# KiCad board A64-OlinuXino_Rev_E.kicad_pcb (continued)
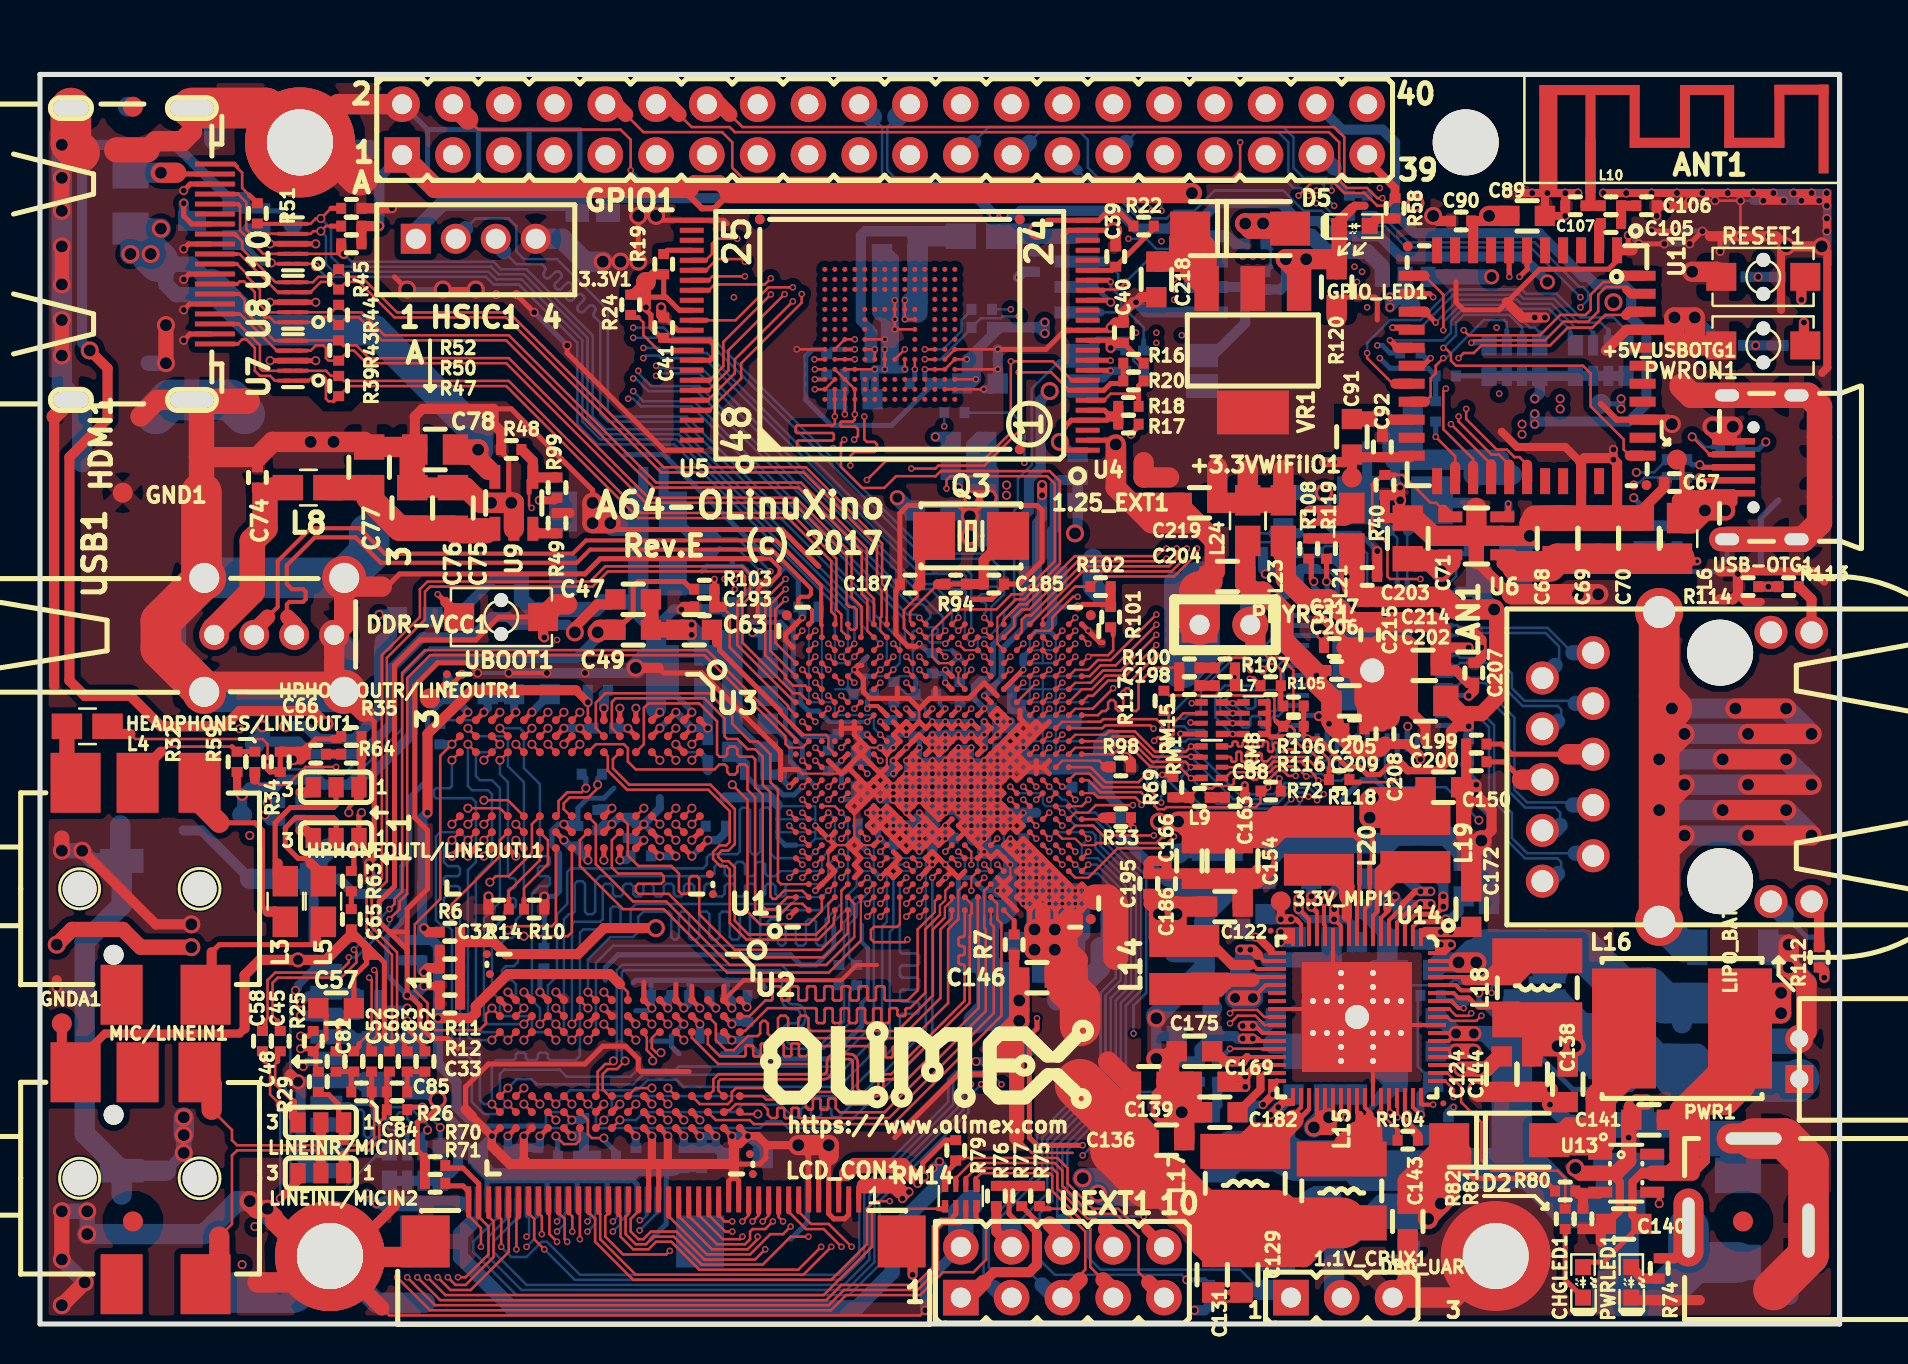
[diagram p0: board, top side]
## Routing (per net, layer and track width the routed paths; a pad name or vN(x,y) marks a point on that pad's centre or on a via; arc(x,y) is an arc through that point) (continued)
  Bottom w0.254: 14.31,16.57 13.67,16.57
  Bottom w0.406: v3(13.03,16.05) 13.41,16.43 13.54,16.43 13.67,16.57
  Bottom w0.508: R30.1 15.82,16.57 14.31,16.57
/NAND Flash , eMMC, T-Card and Audio/SDC0-DET#: length 58.9
  Top w0.107: 51.78,25.58 52.43,25.58
  Top w0.127: 52.43,25.58 52.8,25.95 v4(54.65,25.95) ; U1.AB8 51.78,25.58
  In3.Cu w0.127: 54.18,24.94 54.18,24.94 ; 54.18,24.94 54.18,18.59 49.22,13.64 46.69,13.64 45.92,12.88 45.67,12.88 44.02,11.23 43.26,11.23 39.57,7.54 34.11,7.54 33.1,6.53 21.54,6.53 v3(18.36,9.7) ; 54.18,24.94 54.18,25.48 v4(54.65,25.95)
  Bottom w0.127: v3(18.36,9.7) 18.24,9.7 17.98,9.45 16.97,9.45 16.71,9.19 16.71,8.94 16.46,8.69 15.32,8.69
  Bottom w0.254: 15.32,8.69 14.49,8.69 14.31,8.87 ; RM7.3.2 v3(18.36,9.7)
/Power Supply, Extensions and MiPi-DSI/DC5SET: length 3.1
  Top w0.203: v4(71.2,15.8) 70.94,15.8 70.59,16.15 U14.62
  Bottom w0.254: v4(71.2,15.8) R84.2 70.31,16.18 R92.1
/Power Supply, Extensions and MiPi-DSI/DSI-CKN: length 115.2
  Top w0.127: v4(45.93,34.67) U1.P23
  In2.Cu w0.127: v4(29.99,5.19) 29.89,5.19 28.02,7.06 20.24,7.06 17.07,10.24 11.76,10.24 11.4,10.59 11.4,16.05 10.52,16.94 10.52,22.78 8.46,24.84 8.46,27 6.32,29.13 6.32,38.81 6.81,39.29 16.71,39.29 19.35,41.94 23.06,41.94 24.08,42.95 32.33,42.95 32.66,43.28 32.66,44.3 32.38,44.58 29.62,44.58 29.51,44.68 29.51,45.16 29.64,45.29 32.31,45.29 32.66,45.64 32.66,46.33 32.36,46.63 31.95,46.63 31.83,46.76 31.83,47.42 31.7,47.55 31.44,47.55 31.32,47.42 31.32,46.79 31.17,46.63 30.84,46.63 30.68,46.79 30.68,47.3 v4(30.81,47.42)
  Bottom w0.107: 45.6,35.65 45.6,35
  Bottom w0.127: v4(29.99,5.19) 30.11,5.19 30.36,5.44 30.36,5.57 30.36,5.56 ; 45.6,35.65 45.6,35.68 44.53,36.75 43.76,36.75 32.97,47.55 30.94,47.55 v4(30.81,47.42) ; 45.6,35 v4(45.93,34.67)
  Bottom w0.254: MIPI-DSI1.19 30.36,5.57
/Power Supply, Extensions and MiPi-DSI/DSI-CKP: length 115.2
  Top w0.127: U1.N23 v4(45.93,35.33)
  In2.Cu w0.127: 29.51,45.57 32.21,45.57 32.38,45.75 32.38,46.23 32.26,46.36 30.73,46.36 30.4,46.69 30.4,47.52 v4(30.81,47.93) ; 29.51,45.57 29.54,45.57 ; 29.51,45.57 29.24,45.29 29.24,44.58 29.51,44.3 32.26,44.3 32.38,44.17 32.38,43.41 32.21,43.23 23.95,43.23 22.94,42.22 19.23,42.22 16.59,39.57 6.71,39.57 6.05,38.91 6.05,29.01 8.2,26.85 8.2,24.69 10.24,22.66 10.24,16.81 11.12,15.93 11.12,10.47 11.63,9.96 16.94,9.96 20.12,6.78 27.89,6.78 v4(29.99,4.68)
  Bottom w0.127: 30.86,5.59 30.86,5.56 v4(29.99,4.68) ; v4(30.81,47.93) 30.94,47.8 33.1,47.8 43.89,37.01 44.65,37.01 45.93,35.74 v4(45.93,35.33)
  Bottom w0.254: MIPI-DSI1.20 30.86,5.59
/Power Supply, Extensions and MiPi-DSI/DSI-D0N: length 113.3
  Top w0.127: U1.T23 v4(47.22,35.33)
  In2.Cu w0.127: v4(29.67,49.33) 29.57,49.43 28.12,49.43 25.2,46.51 18.87,46.51 15.21,42.85 4.78,42.85 2.77,40.84 2.77,26.85 4.93,24.69 4.93,16.92 8.36,13.49 8.36,9.17 10.34,7.19 14.91,7.19 17.58,4.52 24.18,4.52 v4(24.33,4.37)
  Bottom w0.127: 24.36,5.41 24.46,5.31 24.46,4.5 v4(24.33,4.37) ; v4(29.67,49.33) 31.32,49.33 31.57,49.07 33.48,49.07 44.27,38.28 47.19,38.28 47.32,38.15 47.32,37.77 47.45,37.64 47.83,37.64 47.96,37.52 47.96,37.39 47.83,37.26 47.07,37.26 46.94,37.13 46.94,37.01 47.07,36.88 47.83,36.88 47.96,36.75 47.96,36.63 47.83,36.5 47.07,36.5 46.94,36.37 46.94,36.25 47.07,36.12 47.19,36.12 47.32,35.99 47.32,35.65 47.22,35.56 v4(47.22,35.33)
  Bottom w0.254: 24.36,5.41 MIPI-DSI1.7
/Power Supply, Extensions and MiPi-DSI/DSI-D0P: length 113.5
  Top w0.127: U1.T22 v4(47.22,34.67)
  In2.Cu w0.127: v4(24.33,3.86) 23.95,4.24 17.47,4.24 14.81,6.91 10.21,6.91 8.08,9.04 8.08,13.36 4.65,16.79 4.65,24.56 2.49,26.72 2.49,40.95 4.67,43.13 15.09,43.13 18.75,46.79 25.09,46.79 28.02,49.71 29.54,49.71 v4(29.67,49.84)
  Bottom w0.127: 24.86,5.41 24.71,5.26 24.71,4.24 v4(24.33,3.86) ; v4(29.67,49.84) 31.19,49.84 31.7,49.33 33.6,49.33 44.4,38.53 47.32,38.53 48.21,37.64 48.21,36.5 47.57,35.86 47.57,35.02 v4(47.22,34.67)
  Bottom w0.254: MIPI-DSI1.8 24.86,5.41
/Power Supply, Extensions and MiPi-DSI/DSI-D1N: length 108.7
  Top w0.127: v4(46.57,34.03) U1.R22
  In2.Cu w0.127: v4(25.86,5.13) 25.83,5.16 19.1,5.16 16.31,7.95 10.72,7.95 9.12,9.55 9.12,14.02 5.82,17.32 5.82,25.22 3.66,27.38 3.66,40.34 5.28,41.96 15.6,41.96 19.25,45.62 25.7,45.62 28.5,48.41 30.07,48.41 v4(30.18,48.31)
  Bottom w0.107: 46.25,34.35 46.25,35.65
  Bottom w0.127: 25.86,5.64 25.98,5.51 25.98,5.26 v4(25.86,5.13) ; 46.25,35.65 46.3,35.7 46.3,36.6 46.15,36.75 45.67,36.75 45.54,36.88 45.54,37.01 45.67,37.13 46.18,37.13 46.3,37.26 46.3,37.39 46.18,37.52 44.02,37.52 33.22,48.31 31.06,48.31 30.94,48.44 30.3,48.44 v4(30.18,48.31) ; v4(46.57,34.03) 46.25,34.35
  Bottom w0.254: MIPI-DSI1.10 25.86,5.64
/Power Supply, Extensions and MiPi-DSI/DSI-D1P: length 108.7
  Top w0.127: U1.P22 v4(46.57,34.67)
  In2.Cu w0.127: v4(30.18,48.82) 30.05,48.69 28.4,48.69 25.6,45.9 19.13,45.9 15.47,42.24 5.18,42.24 3.38,40.44 3.38,27.23 5.54,25.07 5.54,17.2 8.84,13.89 8.84,9.42 10.59,7.67 16.18,7.67 18.97,4.88 25.6,4.88 v4(25.86,4.62)
  Bottom w0.127: 26.36,5.64 26.24,5.51 26.24,5 v4(25.86,4.62) ; v4(30.18,48.82) 30.94,48.82 31.19,48.56 33.35,48.56 44.14,37.77 46.28,37.77 46.57,37.48 v4(46.57,34.67)
  Bottom w0.254: MIPI-DSI1.11 26.36,5.64
/Power Supply, Extensions and MiPi-DSI/DSI-D2N: length 104.6
  Top w0.127: U1.N22 v4(45.28,34.03)
  In2.Cu w0.127: v4(29.67,47.3) 29.57,47.4 28.91,47.4 26.24,44.73 19.63,44.73 15.98,41.07 5.79,41.07 4.55,39.83 4.55,27.99 6.71,25.83 6.71,17.83 9.86,14.68 9.86,9.96 11.1,8.71 16.56,8.71 19.48,5.79 26.62,5.79 27.28,5.13 v4(27.38,5.13)
  Bottom w0.127: 27.36,5.66 27.51,5.51 27.51,5.26 v4(27.38,5.13) ; v4(29.67,47.3) 29.79,47.3 30.43,46.66 32.84,46.66 43.51,35.99 44.15,35.99 44.53,35.61 44.53,35.36 44.27,35.1 44.27,34.98 44.4,34.85 44.78,34.85 44.91,34.72 44.91,34.59 44.78,34.47 44.53,34.47 44.4,34.34 44.4,34.21 44.53,34.09 45.21,34.09 v4(45.28,34.03)
  Bottom w0.254: MIPI-DSI1.13 27.36,5.66
/Power Supply, Extensions and MiPi-DSI/DSI-D2P: length 104.5
  Top w0.127: U1.M22 v4(45.28,34.67)
  In2.Cu w0.127: v4(29.92,47.68) 28.78,47.68 26.11,45.01 19.51,45.01 15.85,41.35 5.69,41.35 4.27,39.93 4.27,27.86 6.43,25.7 6.43,17.7 9.58,14.55 9.58,9.83 10.97,8.43 16.43,8.43 19.35,5.51 26.49,5.51 v4(27.38,4.62)
  Bottom w0.127: 27.86,5.61 27.76,5.51 27.76,5 v4(27.38,4.62) ; v4(45.28,34.67) 45.16,34.79 45.16,35.36 44.27,36.25 43.64,36.25 32.97,46.91 30.56,46.91 29.92,47.55 v4(29.92,47.68)
  Bottom w0.254: MIPI-DSI1.14 27.86,5.61
/Power Supply, Extensions and MiPi-DSI/DSI-D3N: length 100.8
  Top w0.127: v4(43.97,34.67) U1.L22
  In2.Cu w0.127: v4(28.65,5.13) 28.55,5.13 27.25,6.43 19.86,6.43 16.81,9.47 11.48,9.47 10.62,10.34 10.62,15.44 9.5,16.56 9.5,22.28 7.57,24.21 7.57,26.49 5.44,28.63 5.44,39.32 6.3,40.18 16.33,40.18 18.87,42.72 22.71,42.72 23.83,43.84 26.75,43.84 29.18,46.28 v4(29.41,46.28)
  Bottom w0.127: 28.86,5.59 28.86,5.34 v4(28.65,5.13) ; v4(29.41,46.28) 29.67,46.28 30.05,45.9 32.59,45.9 43.26,35.23 43.26,34.09 43.38,33.96 43.51,33.96 43.64,34.09 43.64,34.59 43.72,34.67 v4(43.97,34.67)
  Bottom w0.254: MIPI-DSI1.16 28.86,5.59
/Power Supply, Extensions and MiPi-DSI/DSI-D3P: length 100.9
  Top w0.127: v4(43.97,35.33) U1.L23
  In2.Cu w0.127: v4(29.67,46.66) 29.16,46.66 26.62,44.12 23.7,44.12 22.58,43 18.75,43 16.2,40.46 6.2,40.46 5.16,39.42 5.16,28.5 7.31,26.34 7.31,23.93 9.22,22.02 9.22,16.43 10.34,15.32 10.34,10.21 11.35,9.19 16.69,9.19 19.74,6.15 27.13,6.15 v4(28.65,4.62)
  Bottom w0.127: 29.36,5.46 29.03,5.13 29.03,5 v4(28.65,4.62) ; v4(43.97,35.33) 43.82,35.48 43.38,35.48 32.72,46.15 30.18,46.15 v4(29.67,46.66)
  Bottom w0.254: MIPI-DSI1.17 29.36,5.46
/Power Supply, Extensions and MiPi-DSI/MIPI-DSI-BKL: length 51.3
  Top w0.127: U1.W8 v4(49.82,24.92)
  In2.Cu w0.107: 50.15,24.6 50.15,20.7
  In2.Cu w0.127: v4(49.82,24.92) 50.15,24.6 ; 50.15,20.7 50.48,20.37 51.13,20.37 51.51,19.99 51.51,18.47 50.24,17.2 50.24,14.91 49.99,14.66 49.35,14.66 47.83,13.13 47.45,13.13 46.94,12.62 46.69,12.62 v4(46.05,11.99)
  Bottom w0.127: 23.86,5.29 22.68,4.11 22.68,3.61 24.33,1.96 40.21,1.96 41.48,3.23 41.48,6.4 45.92,10.85 45.92,11.86 v4(46.05,11.99)
  Bottom w0.254: 23.86,5.29 MIPI-DSI1.6
/Power Supply, Extensions and MiPi-DSI/MIPI-DSI-EN: length 50.4
  Top w0.127: U1.Y6 v4(50.47,23.62)
  In2.Cu w0.107: 50.47,22.81 50.8,22.48 50.8,20.7
  In2.Cu w0.127: 50.8,20.7 50.88,20.62 51.26,20.62 51.76,20.12 51.76,18.34 50.5,17.07 50.5,14.78 50.11,14.4 49.48,14.4 47.96,12.88 47.57,12.88 47.07,12.37 46.94,12.37 v4(46.56,11.99) ; v4(50.47,23.62) 50.47,22.81
  Bottom w0.127: v4(46.56,11.99) 46.18,11.61 46.18,10.72 41.73,6.27 41.73,3.1 40.34,1.7 24.08,1.7 22.43,3.35 22.43,4.37 23.36,5.3
  Bottom w0.254: 23.36,5.3 MIPI-DSI1.5
/Power Supply, Extensions and MiPi-DSI/MIPI-DSI-RST: length 51.5
  Top w0.127: U1.AA6 v4(51.12,23.62)
  In2.Cu w0.107: 51.45,20.81 51.45,22.17 50.8,22.82 50.8,23.3
  In2.Cu w0.127: 51.45,20.81 52.02,20.24 52.02,18.21 50.75,16.94 50.75,14.66 50.24,14.15 49.61,14.15 48.08,12.62 47.7,12.62 v4(47.07,11.99) ; v4(51.12,23.62) 50.8,23.3
  Bottom w0.127: 22.86,5.31 21.67,4.11 21.67,3.61 23.83,1.45 40.46,1.45 41.99,2.97 41.99,6.15 46.43,10.59 46.43,11.35 v4(47.07,11.99)
  Bottom w0.254: 22.86,5.31 MIPI-DSI1.4
/Power Supply, Extensions and MiPi-DSI/PB0: length 96.4
  Top w0.127: U1.V9 v4(48.53,26.22) ; v4(60.02,59.11) 60.02,57.71 59.64,57.33 35.13,57.33 34.62,57.84 34.62,59.11 34.11,59.61 30.18,59.61 29.29,60.5
  Top w0.762: 29.29,60.5 28.78,61.01 GPIO1.10
  In3.Cu w0.107: 52.75,25.9 U1.V9
  In3.Cu w0.127: v4(60.02,59.11) 60.78,59.87 64.59,59.87 65.23,59.23 65.23,57.96 66.24,56.95 66.24,54.41 68.53,52.12 69.78,52.12 72.21,49.69 72.21,47.17 72.09,47.04 72.09,45.52 70.18,43.61 67.26,43.61 65.48,41.83 65.48,40.82 64.34,39.67 64.34,38.53 63.96,38.15 63.19,38.15 62.69,37.64 62.69,35.99 61.87,35.18 61.87,30.72 57.88,26.73 57.24,26.73 56.86,27.12 56.01,27.12 55.77,27.35 54.2,27.35 52.75,25.9 ; v4(48.53,26.22) U1.V9
/Power Supply, Extensions and MiPi-DSI/PB1: length 92.1
  Top w0.107: 52.43,24.92 51.78,24.92
  Top w0.127: v4(55.7,24.44) 53.16,24.44 52.67,24.92 52.43,24.92 ; v4(67.13,56.31) 66.88,56.31 66.37,56.82 65.35,56.82 64.97,57.2 64.97,59.11 64.47,59.61 34.75,59.61 34.49,59.87 32.59,59.87 31.95,60.5 ; U1.AB7 51.78,24.92
  Top w0.762: GPIO1.12 31.44,61.01 31.95,60.5
  In3.Cu w0.127: v4(67.13,56.31) 67.13,54.64 68.89,52.88 70.18,52.88 72.47,50.6 73.23,50.6 73.61,50.22 73.61,45.16 70.79,42.34 67.89,42.34 66.75,41.2 66.75,40.2 65.61,39.06 65.61,38.28 66.12,37.77 66.12,37.11 63.64,34.64 63.64,32.83 63.4,32.59 63.4,29.96 63.78,29.58 63.78,29.07 62.81,28.1 62,28.1 57.69,23.8 56.34,23.8 v4(55.7,24.44)
/Power Supply, Extensions and MiPi-DSI/PB2: length 86.6
  Top w0.127: 34.49,60.5 35.13,59.87 64.72,59.87 65.23,59.36 65.23,57.45 v4(65.48,57.2) ; U1.W10 v4(49.18,26.88)
  Top w0.762: GPIO1.14 33.99,61.01 34.49,60.5
  In3.Cu w0.107: 52.75,26.55 U1.W10
  In3.Cu w0.127: 52.75,26.55 54,27.8 56.5,27.8 57.34,26.97 57.77,26.97 61.62,30.82 61.62,35.31 62.43,36.12 62.43,37.77 63.07,38.41 63.83,38.41 64.08,38.66 64.08,39.8 65.23,40.94 65.23,41.96 67.13,43.87 70.05,43.87 71.83,45.64 71.83,47.17 71.96,47.3 71.96,49.58 69.67,51.87 68.4,51.87 65.99,54.28 65.99,56.69 v4(65.48,57.2) ; v4(49.18,26.88) U1.W10
/Power Supply, Extensions and MiPi-DSI/PB3: length 87.1
  Top w0.107: 52.75,23.95 52.1,23.95 51.78,24.28 51.12,24.28
  Top w0.127: 52.75,23.95 52.85,24.05 55.83,24.05 v4(56.21,24.44) ; U1.AA7 51.12,24.28
  In2.Cu w0.127: v4(67,56.82) 65.1,56.82 64.85,57.07 63.07,57.07 62.43,57.71 62.43,59.11 61.93,59.61 37.29,59.61 36.53,60.38
  In2.Cu w1.016: GPIO1.16 36.53,60.38
  In3.Cu w0.127: v4(56.21,24.44) 56.37,24.27 56.37,24.21 56.54,24.05 57.29,24.05 59.88,26.64 59.88,27.08 61.44,28.64 62.61,28.64 62.95,28.98 62.95,29.79 63.14,29.99 63.14,32.66 63.41,32.93 63.41,34.76 65.86,37.21 65.86,37.64 65.35,38.15 65.35,39.17 66.5,40.31 66.5,41.33 67.77,42.6 70.69,42.6 73.36,45.26 73.36,46.56 73.36,50.09 73.1,50.34 72.34,50.34 70.05,52.63 68.78,52.63 66.75,54.66 66.75,56.57 v4(67,56.82)
/Power Supply, Extensions and MiPi-DSI/PB4: length 82.8
  Top w0.127: U1.W7 v4(49.82,24.28)
  In2.Cu w0.127: v4(66.5,57.2) 65.99,57.2 65.61,57.58 65.23,57.58 64.97,57.33 63.19,57.33 62.69,57.84 62.69,59.36 62.18,59.87 40.08,59.87 39.57,60.38
  In2.Cu w0.762: GPIO1.18 38.94,61.01 39.57,60.38
  In3.Cu w0.107: 51.45,25.25 50.8,25.25
  In3.Cu w0.127: v4(49.82,24.28) 50.8,25.25 ; v4(66.5,57.2) 66.5,54.53 68.66,52.37 69.9,52.37 72.45,49.82 72.45,47.03 72.34,46.91 72.34,45.39 70.31,43.36 67.39,43.36 65.73,41.71 65.73,40.69 64.59,39.55 64.59,38.41 64.08,37.9 63.32,37.9 62.94,37.52 62.94,35.86 62.13,35.05 62.13,30.65 57.98,26.5 56.99,26.5 56.61,26.88 55.91,26.88 55.68,27.12 54.83,27.12 52.96,25.25 51.45,25.25
/Power Supply, Extensions and MiPi-DSI/PE0: length 73.7
  Top w0.127: U1.AA18 v4(51.12,32.08)
  In2.Cu w0.127: 23.83,57.84 24.71,56.95 31.32,56.95 31.7,56.57 33.35,56.57 33.86,56.06 37.92,56.06 38.68,55.3 46.24,55.3 48.1,53.43 52.61,53.43 53.03,53.01 53.8,53.01 54.31,52.5 55.96,52.5 56.21,52.25 56.21,51.1 56.46,50.85 v4(66.37,50.85)
  In2.Cu w1.016: 23.83,57.84 GPIO1.5
  In3.Cu w0.127: v4(66.37,50.85) 66.37,50.34 55.7,39.68 55.7,37.39 54.69,36.37 54.69,33.71 53.06,32.08 v4(51.12,32.08)
/Power Supply, Extensions and MiPi-DSI/PE1: length 61
  Top w0.127: U1.AB23 v4(51.78,35.33)
  In2.Cu w0.127: v4(61.16,53.39) 60.53,52.76 54.43,52.76 53.92,53.26 53.16,53.26 52.76,53.67 48.2,53.67 46.32,55.55 38.81,55.55 38.05,56.31 33.99,56.31 33.48,56.82 31.95,56.82 31.57,57.2 27,57.2 26.49,57.71
  In2.Cu w1.016: 26.36,57.84 26.49,57.71 GPIO1.7
  In3.Cu w0.127: v4(61.16,53.39) 61.16,48.82 53.16,40.82 53.16,38.66 52.15,37.64 52.15,37.13 51.38,36.37 51.38,35.72 v4(51.78,35.33)
/Power Supply, Extensions and MiPi-DSI/PE2: length 59.1
  Top w0.127: U1.AA22 v4(51.12,34.67)
  In2.Cu w0.127: 29.41,59.61 31.44,59.61 32.08,58.98 32.08,57.84 32.59,57.33 33.86,57.33 34.37,56.82 38.3,56.82 39.06,56.06 53.42,56.06 55.19,54.28 55.19,53.77 55.7,53.26 59.79,53.26 59.92,53.39 v4(60.15,53.39)
  In2.Cu w0.762: GPIO1.9 29.41,59.61
  In3.Cu w0.127: v4(60.15,53.39) 60.15,48.56 52.65,41.07 52.65,38.91 51.64,37.9 51.64,37.39 50.88,36.63 50.88,35.1 51.12,34.85 v4(51.12,34.67)
/Power Supply, Extensions and MiPi-DSI/PE3: length 56.3
  Top w0.127: U1.AA21 v4(51.12,34.03)
  In2.Cu w0.127: v4(60.66,53.39) 60.27,53.01 54.56,53.01 54.05,53.52 53.29,53.52 52.91,53.9 48.34,53.9 46.43,55.8 38.94,55.8 38.18,56.57 34.11,56.57 33.6,57.07 32.21,57.07 31.57,57.71
  In2.Cu w0.508: GPIO1.11 31.57,57.71
  In3.Cu w0.107: 51.45,34.35 51.45,35
  In3.Cu w0.127: v4(60.66,53.39) 60.66,48.69 52.91,40.95 52.91,38.79 51.89,37.77 51.89,37.26 51.13,36.5 51.13,35.32 51.45,35 ; v4(51.12,34.03) 51.45,34.35
/Power Supply, Extensions and MiPi-DSI/PE4: length 62.8
  Top w0.127: U1.AA19 v4(51.12,32.72)
  In2.Cu w0.127: 34.37,57.84 35.13,57.07 38.43,57.07 39.19,56.31 53.54,56.31 55.45,54.41 55.45,53.9 55.83,53.52 59.64,53.52 60.02,53.9 63.7,53.9 65.48,52.12 v4(65.86,52.12)
  In2.Cu w0.762: 34.37,57.84 33.73,58.47 GPIO1.13
  In3.Cu w0.127: v4(65.86,52.12) 65.74,51.99 65.74,50.5 55.19,39.95 55.19,37.64 54.18,36.63 54.18,33.98 52.92,32.72 v4(51.12,32.72)
/Power Supply, Extensions and MiPi-DSI/PE5: length 63.2
  Top w0.127: v4(49.82,31.42) U1.W17
  In2.Cu w0.127: 36.91,57.84 37.41,57.33 38.56,57.33 39.32,56.57 53.67,56.57 55.7,54.53 55.7,54.03 55.96,53.77 59.51,53.77 59.89,54.15 63.83,54.15 65.52,52.47 65.95,52.47 v4(66.12,52.63)
  In2.Cu w0.762: 36.91,57.84 36.27,58.47 GPIO1.15
  In3.Cu w0.107: 50.8,32.4 51.45,32.4
  In3.Cu w0.127: v4(49.82,31.42) 50.8,32.4 ; v4(66.12,52.63) 66.24,52.5 66.24,51.44 65.99,51.19 65.99,50.39 55.45,39.85 55.45,37.52 54.43,36.5 54.43,33.88 52.96,32.4 51.45,32.4
/Power Supply, Extensions and MiPi-DSI/PE6: length 45.6
  Top w0.127: v4(49.82,33.38) U1.W20
  In2.Cu w0.127: v4(56.08,54.15) 56.59,54.66 56.59,55.93 55.7,56.82 40.08,56.82 39.32,57.58
  In2.Cu w0.762: GPIO1.17 39.32,57.58
  In3.Cu w0.107: 50.15,33.7 50.15,34.47
  In3.Cu w0.127: v4(49.82,33.38) 50.15,33.7 ; 50.15,34.47 50.11,34.5 50.11,37.01 50.88,37.77 50.88,40.03 51.64,40.79 51.64,42.22 52.66,43.24 52.66,44.25 56.46,48.06 56.46,50.85 56.08,51.23 56.08,51.61 55.83,51.87 55.83,53.9 v4(56.08,54.15)
/Power Supply, Extensions and MiPi-DSI/PE7: length 55.3
  Top w0.127: U1.Y19 v4(50.47,32.72)
  In2.Cu w0.127: 41.73,57.71 42.37,57.07 55.83,57.07 57.1,55.8 61.42,55.8 62.81,54.41 63.98,54.41 65.5,52.88 v4(65.74,52.88)
  In2.Cu w0.762: 41.73,57.71 GPIO1.19
  In3.Cu w0.107: 50.8,33.05 52.2,33.05
  In3.Cu w0.127: v4(65.74,52.88) 65.48,52.63 65.48,51.49 65.48,50.6 54.94,40.06 54.94,37.77 53.92,36.75 53.92,34.09 52.83,32.99 52.26,32.99 52.2,33.05 ; v4(50.47,32.72) 50.8,33.05
/Power Supply, Extensions and MiPi-DSI/PE8: length 49.8
  Top w0.127: v4(52.43,34.03) U1.AC22
  In2.Cu w0.127: v4(63.83,56.69) 63.7,56.82 62.69,56.82 62.18,57.33 45.03,57.33 44.65,57.71
  In2.Cu w0.762: GPIO1.21 43.89,58.47 44.65,57.71
  In3.Cu w0.127: v4(63.83,56.69) 63.83,56.57 64.34,56.06 64.34,55.55 64.72,55.17 64.72,50.92 54.18,40.38 54.18,38.15 53.16,37.14 53.16,34.49 52.7,34.03 v4(52.43,34.03)
/Power Supply, Extensions and MiPi-DSI/PE9: length 56.5
  Top w0.127: U1.Y17 v4(50.47,31.42)
  In3.Cu w0.107: 50.83,31.75 51.29,31.75
  In3.Cu w0.127: 50.83,31.75 50.8,31.75 v4(50.47,31.42) ; v4(64.59,56.69) 64.97,56.69 65.48,56.19 65.48,54.03 66.5,53.01 66.5,51.36 66.75,51.1 66.75,50.34 55.96,39.55 55.96,37.26 54.94,36.25 54.94,33.58 53.11,31.75 51.29,31.75
  Bottom w0.127: v4(64.59,56.69) 64.59,57.07 64.34,57.33 63.19,57.33 62.69,57.84 62.69,59.36 62.18,59.87 47.45,59.87 46.69,59.11
  Bottom w0.762: GPIO1.23 46.69,59.11
/Power Supply, Extensions and MiPi-DSI/PE10: length 45.2
  Top w0.127: U1.AB22 v4(51.78,34.67)
  In3.Cu w0.127: v4(51.78,34.67) 52.65,35.55 52.65,37.41 53.67,38.43 53.67,40.59 64.21,51.13 64.21,54.91 63.45,55.68 v4(63.45,56.44)
  Bottom w0.127: 49.48,59.11 49.99,59.61 52.02,59.61 52.4,59.23 52.4,57.84 52.91,57.33 62.18,57.33 62.69,56.82 63.07,56.82 v4(63.45,56.44)
  Bottom w0.762: 49.48,59.11 48.84,58.47 GPIO1.25
/Power Supply, Extensions and MiPi-DSI/PE11: length 31.6
  Top w0.127: U1.W21 v4(49.82,34.03)
  In3.Cu w0.127: v4(49.82,34.03) 49.82,37.1 50.62,37.9 50.62,40.18 51.38,40.95 51.38,42.34 52.41,43.36 52.41,44.4 56.21,48.21 56.21,50.72 55.83,51.1 55.83,51.49 55.58,51.74 55.58,55.17 v4(56.08,55.68)
  Bottom w0.127: 51.89,57.71 52.53,57.07 55.19,57.07 56.08,56.19 v4(56.08,55.68)
  Bottom w0.508: 51.89,57.71 GPIO1.27
/Power Supply, Extensions and MiPi-DSI/PE12: length 43.2
  Top w0.127: v4(51.78,33.38) U1.AB20
  In3.Cu w0.107: 52.1,33.7 52.78,33.7
  In3.Cu w0.127: v4(51.78,33.38) 52.1,33.7 ; 52.78,33.7 53.42,34.34 53.42,37.01 54.43,38.02 54.43,40.27 64.97,50.81 64.97,55.3 64.72,55.55 v4(64.72,55.93)
  Bottom w0.127: 54.31,59.11 54.81,59.61 61.93,59.61 62.43,59.11 62.43,57.58 62.94,57.07 64.08,57.07 64.21,56.95 64.21,56.44 v4(64.72,55.93)
  Bottom w0.762: GPIO1.29 54.31,59.11
/Power Supply, Extensions and MiPi-DSI/PE13: length 29.5
  Top w0.127: v4(50.47,34.03) U1.Y22
  In3.Cu w0.127: v4(50.47,34.03) 50.47,34.59 50.37,34.7 50.37,36.88 51.13,37.64 51.13,39.85 52.15,40.87 52.15,41.33 56.72,45.9 56.72,50.72 57.1,51.1 57.1,53.39 57.23,53.52 57.23,55.17 58.37,56.31 58.37,56.9 57.81,57.45 57.48,57.45 57.1,57.84
  In3.Cu w0.762: GPIO1.31 56.46,58.47 57.1,57.84
/Power Supply, Extensions and MiPi-DSI/PE14: length 39
  Top w0.127: U1.AC20 v4(52.43,33.38) 52.5,33.45 53.42,33.45 53.67,33.71 53.67,34.47
  Top w0.254: 53.67,34.47 53.67,34.72 R101.1
  In3.Cu w0.127: 65.23,50.71 65.23,50.71 ; 65.23,50.71 65.23,56.06 64.97,56.31 64.47,56.31 64.21,56.57 64.21,56.95 63.83,57.33 60.15,57.33 59.64,57.84 ; 65.23,50.71 54.69,40.16 54.69,37.9 53.67,36.88 53.67,34.21 52.83,33.38 v4(52.43,33.38)
  In3.Cu w0.762: 59.64,57.84 59,58.47 GPIO1.33
/Power Supply, Extensions and MiPi-DSI/PE15: length 38.9
  Top w0.127: U1.Y23 50.15,35.27 51.76,36.88 R102.1 53.03,37.39 56.72,37.39 57.86,38.53 v4(57.86,38.79)
  In3.Cu w0.127: 62.05,59.23 62.43,59.61 64.47,59.61 64.97,59.11 64.97,57.07 65.74,56.31 65.74,54.15 66.75,53.14 66.75,51.49 67,51.23 67,50.22 57.86,41.07 v4(57.86,38.79)
  In3.Cu w0.762: GPIO1.35 62.05,59.23
/Power Supply, Extensions and MiPi-DSI/PE16: length 30.3
  Top w0.127: v4(51.78,34.03) U1.AB21
  In3.Cu w0.107: 52.1,34.35 52.66,34.35
  In3.Cu w0.127: v4(51.78,34.03) 52.1,34.35 ; 52.66,34.35 52.91,34.6 52.91,37.26 53.92,38.28 53.92,40.48 64.46,51.02 64.46,55.04 63.83,55.68 v4(63.83,56.06)
  Bottom w0.127: v4(63.83,56.06) 64.08,56.06 64.72,55.42 65.1,55.42
  Bottom w0.406: 65.48,55.42 65.1,55.42
/Power Supply, Extensions and MiPi-DSI/PE16/POWERON: length 3.6
  Bottom w0.254: R28.1 R65.1 64.97,56.95 64.97,57.39 64.72,57.65
  Bottom w0.762: 64.72,57.84 64.08,58.47 GPIO1.37
/Power Supply, Extensions and MiPi-DSI/PE17/GPIO_LED: length 37.5
  Top w0.107: 50.47,34.67 50.5,34.67 49.82,34.67
  Top w0.127: v4(62.94,56.44) 63.58,57.07 64.72,57.07 65.23,56.57 66.24,56.57 66.88,55.93 67.39,55.93 ; 50.5,34.67 50.62,34.8 50.62,35.33 51.66,36.37 v4(51.89,36.37) ; U1.W22 49.82,34.67
  Top w0.254: 67.39,55.93 R58.1
  Top w0.406: R58.1 67.77,56.82 66.37,58.22 GPIO1.39
  In3.Cu w0.127: v4(62.94,56.44) 63.19,56.19 63.19,55.55 63.96,54.79 63.96,51.23 53.42,40.69 53.42,38.53 52.4,37.52 52.4,36.88 v4(51.89,36.37)
/S0SA0: length 49.6
  Top w0.127: v3(23,28.2) U3.N3 ; U1.P5 v4(45.93,23.62) ; v3(25.8,14.2) U2.N3
  In3.Cu w0.107: 44.62,21.67 44.95,22 44.95,23.15 45.1,23.3 45.6,23.3
  In3.Cu w0.127: 44.62,21.67 44.62,18.18 39.83,13.39 32.33,13.39 31.52,14.2 30.5,14.2 30,13.7 29.67,13.7 29.38,13.98 28.04,13.98 27.7,13.64 26.49,13.64 26.36,13.51 26.36,12.88 26.24,12.75 25.98,12.75 25.8,12.94 v3(25.8,14.2) ; 45.6,23.3 v4(45.93,23.62)
  Bottom w0.127: v3(23,28.2) 23,27.5 23.4,27.1 23.4,22.4 23.5,22.3 23.7,22.3 23.8,22.2 23.8,21.9 23.7,21.8 23.5,21.8 23.4,21.7 23.4,21.4 23.5,21.3 23.7,21.3 23.8,21.2 23.8,20.9 23.7,20.8 23.4,20.8 23.2,20.6 23.2,20.3 22.6,19.7 22.6,16.6 23,16.2 23,15.6 23.2,15.4 24.4,15.4 24.6,15.2 24.6,14.8 24.8,14.6 U2.N3 v3(25.8,14.2)
/S0SA1: length 51
  Top w0.107: 46.57,22.33 v4(46.57,21.67)
  Top w0.127: U1.R4 46.57,22.33 ; v3(25,11) U2.P7 ; v3(22.2,25) U3.P7
  In3.Cu w0.127: v3(22.2,25) 21.8,25.4 20.4,25.4 20.2,25.2 20.2,20.1 20.6,19.7 20.6,13.6 23,11.2 23,10.8 23.2,10.6 24.6,10.6 v3(25,11) 25.4,11.4 38.6,11.4 39,11.8 39.4,11.8 39.85,11.35 40.2,11.35 46.57,17.72 v4(46.57,21.67)
/S0SA2: length 50.5
  Top w0.127: v3(22.2,28.2) U3.P3 ; U2.P3 v3(24.2,14.2) ; U1.N5 v4(45.93,22.97)
  In2.Cu w0.127: v3(22.2,28.2) 22.2,27.3 22.6,26.9 22.6,22.6 23,22.2 23,19.7 22.9,19.6 22.4,19.6 22.3,19.5 22.3,19.2 22.4,19.1 23.1,19.1 23.2,19 23.2,18.7 23.1,18.6 22.4,18.6 22.3,18.5 22.3,18.2 22.4,18.1 23.1,18.1 23.2,18 23.2,17.6 22.6,17 22.6,16.5 22.5,16.4 22.2,16.4 22.1,16.3 22.1,15.7 22.5,15.3 22.9,15.3 24,14.2 v3(24.2,14.2)
  In3.Cu w0.107: 45.6,22 45.6,22.65
  In3.Cu w0.127: 45.6,22 45.6,18.52 40.08,13 31.72,13 31.47,12.75 29.92,12.75 29.54,12.37 25.25,12.37 24.2,13.4 v3(24.2,14.2) ; 45.6,22.65 v4(45.93,22.97)
/S0SA3: length 49.4
  Top w0.127: v4(45.28,23.62) U1.N6 ; v3(25,15) U2.N2 ; U3.N2 v3(23,29.8)
  In3.Cu w0.107: 44.3,23.3 44.3,20.05
  In3.Cu w0.127: 44.3,20.05 44.3,18.49 39.57,13.77 34.11,13.77 33.99,13.89 33.99,14.66 33.86,14.78 33.64,14.78 33.48,14.62 33.48,14.02 33.35,13.89 32.84,13.89 32.72,14.02 32.72,14.4 32.52,14.6 25.4,14.6 v3(25,15) ; v4(45.28,23.62) 44.62,23.62 44.3,23.3
  Bottom w0.127: v3(23,29.8) 24,29.8 24.2,29.6 24.2,27.8 25,27 25,23.5 25.1,23.4 25.4,23.4 25.5,23.3 25.5,23 25.4,22.9 25,22.9 24.9,22.8 24.9,22.5 25,22.4 25.4,22.4 25.5,22.3 25.5,22 25.4,21.9 25,21.9 24.6,21.5 24.6,16.2 25,15.8 v3(25,15)
/S0SA4: length 50.7
  Top w0.107: 46.57,23.62 v4(46.57,22.97)
  Top w0.127: U1.P6 46.57,23.62 ; v3(24.2,11) U2.P8 ; U3.P8 v3(22.2,24.2)
  In3.Cu w0.107: 46.25,21.03 46.25,22
  In3.Cu w0.127: 24.6,11.4 24.22,11 ; 24.6,11.4 24.6,11.4 ; 24.6,11.4 24.88,11.68 29.87,11.68 30.43,12.24 40.59,12.24 46.25,17.9 46.25,21.03 ; v3(22.2,24.2) 22.9,23.5 22.9,22.5 23,22.4 23.4,22.4 23.5,22.3 23.5,22 23.4,21.9 23,21.9 22.9,21.8 22.9,21.5 23,21.4 23.5,21.4 23.6,21.3 23.6,21 23.5,20.9 22.2,20.9 21.4,20.1 21.4,14 22.3,13.1 23.2,13.1 23.8,12.5 23.8,11.4 v3(24.2,11) ; v4(46.57,22.97) 46.57,22.33 46.25,22
/S0SA5: length 49.2
  Top w0.127: v4(41.38,22.97) U1.G4 ; U3.P2 v3(23,29) ; U2.P2 v3(24.2,15)
  In3.Cu w0.107: 41.05,20.07 41.05,22.65
  In3.Cu w0.127: 41.05,20.07 40.84,19.86 39.32,19.86 39.19,19.74 39.19,19.61 39.32,19.48 40.72,19.48 40.84,19.36 40.84,19.23 40.72,19.1 39.32,19.1 39.19,18.97 39.19,18.85 39.32,18.72 40.72,18.72 40.84,18.59 40.84,18.47 40.72,18.34 40.34,18.34 39.06,17.07 27.13,17.07 27,16.94 27,15.55 26.86,15.4 U2.P2 v3(24.2,15) ; v4(41.38,22.97) 41.05,22.65
  Bottom w0.127: v3(24.2,15) 22.4,15 22.2,15.2 22.2,20.3 23,21.1 23,26.8 22.6,27.2 22,27.2 21.8,27.4 21.8,28.4 22,28.6 22.6,28.6 v3(23,29)
